# Altium PCB DT01.PcbDoc (part 1 of 3)
Units mil, origin at the board's own origin, x right, y up, seen from the top; angles counter-clockwise.
Board outline 2134.7 x 2226.1 mil, 2 copper layers (Top Layer, Bottom Layer), stack 57.918 mil thick; 95 components, 87 nets, 468 pads, 300 vias.
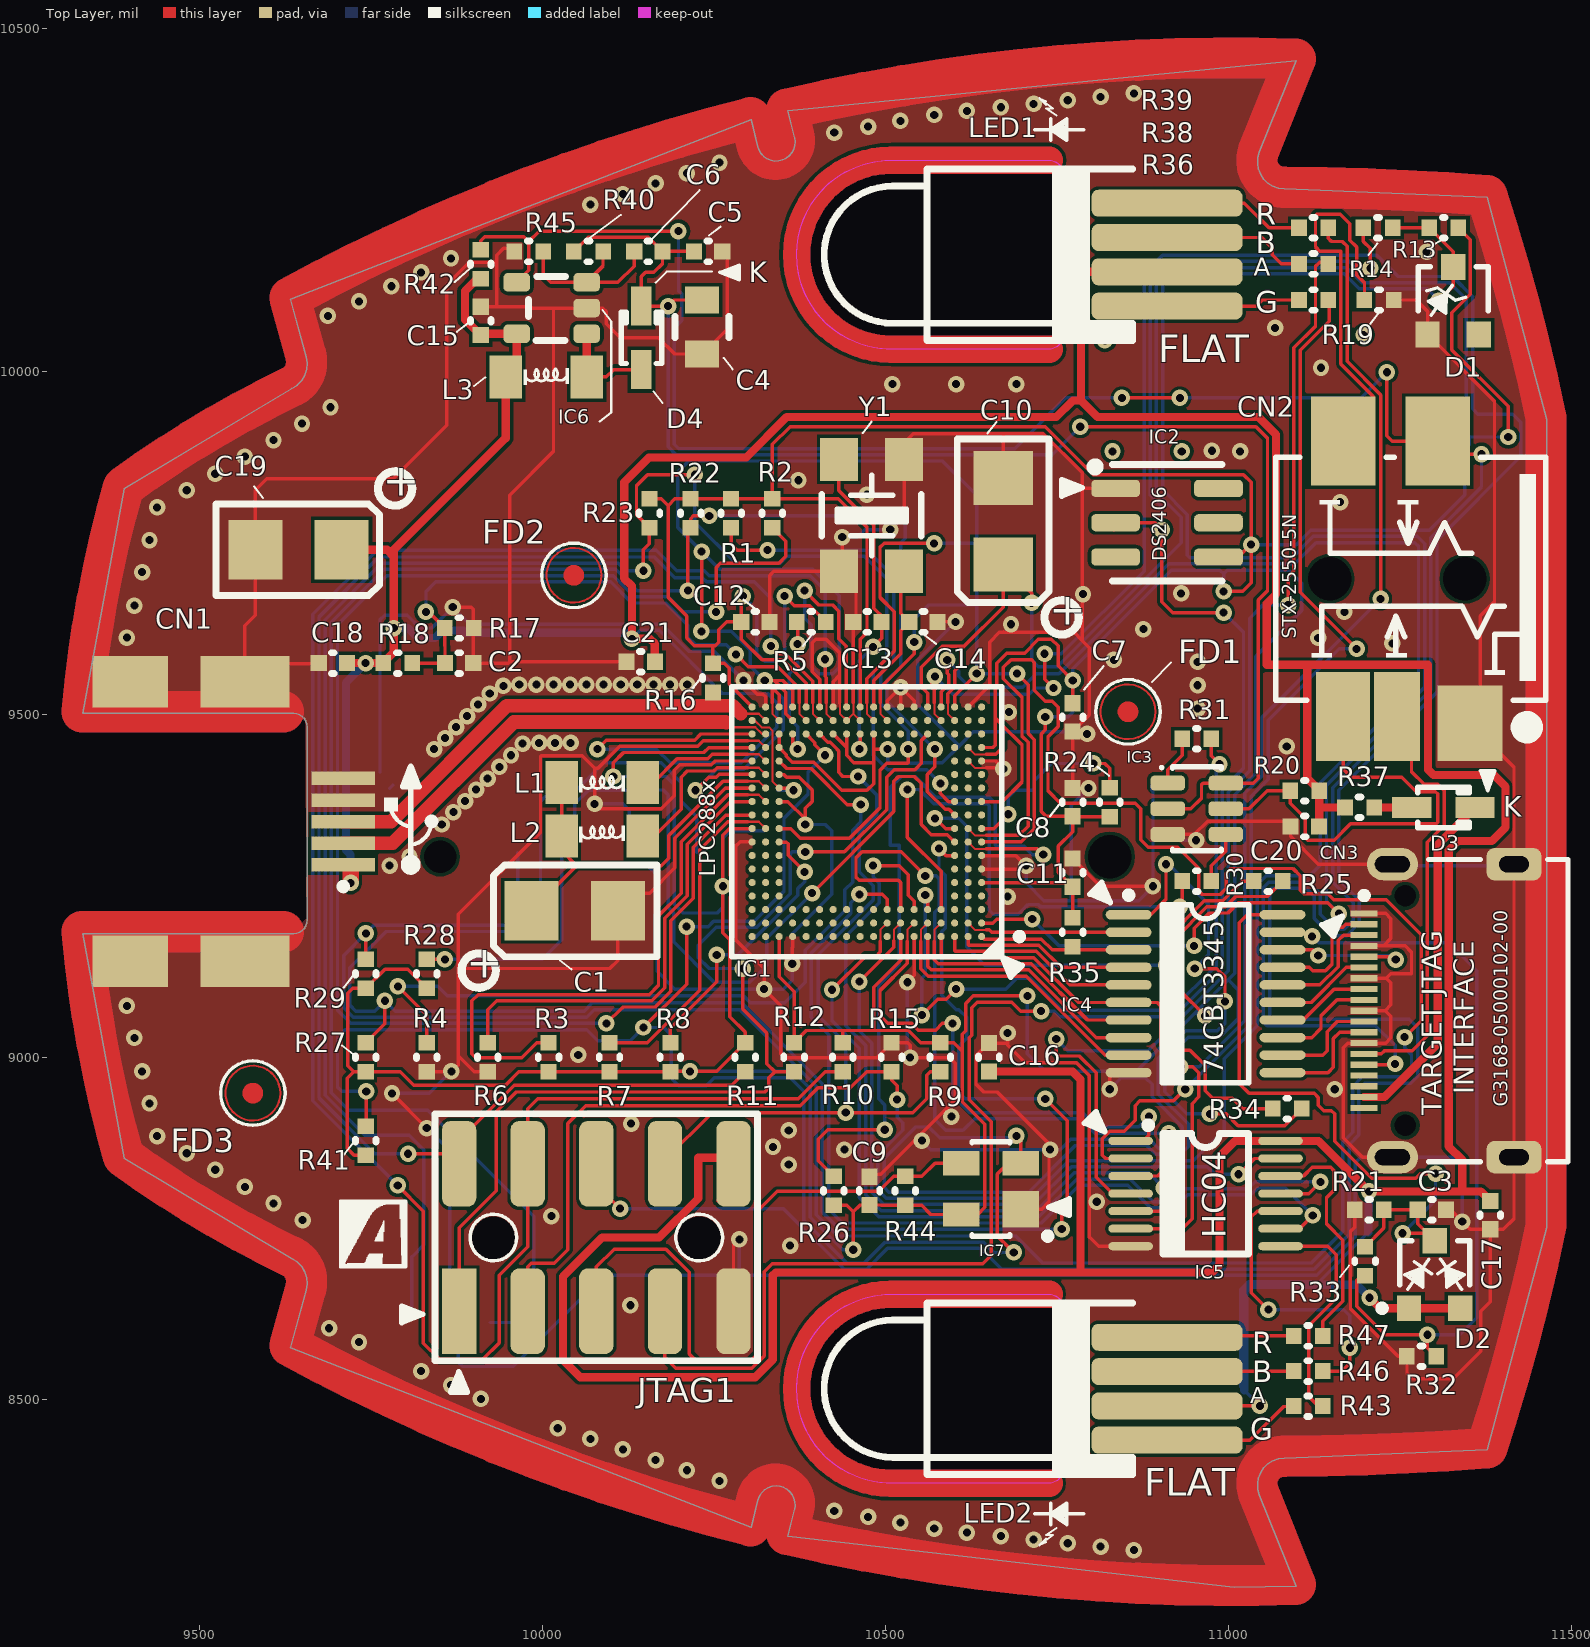
[diagram p0: Top Layer view]
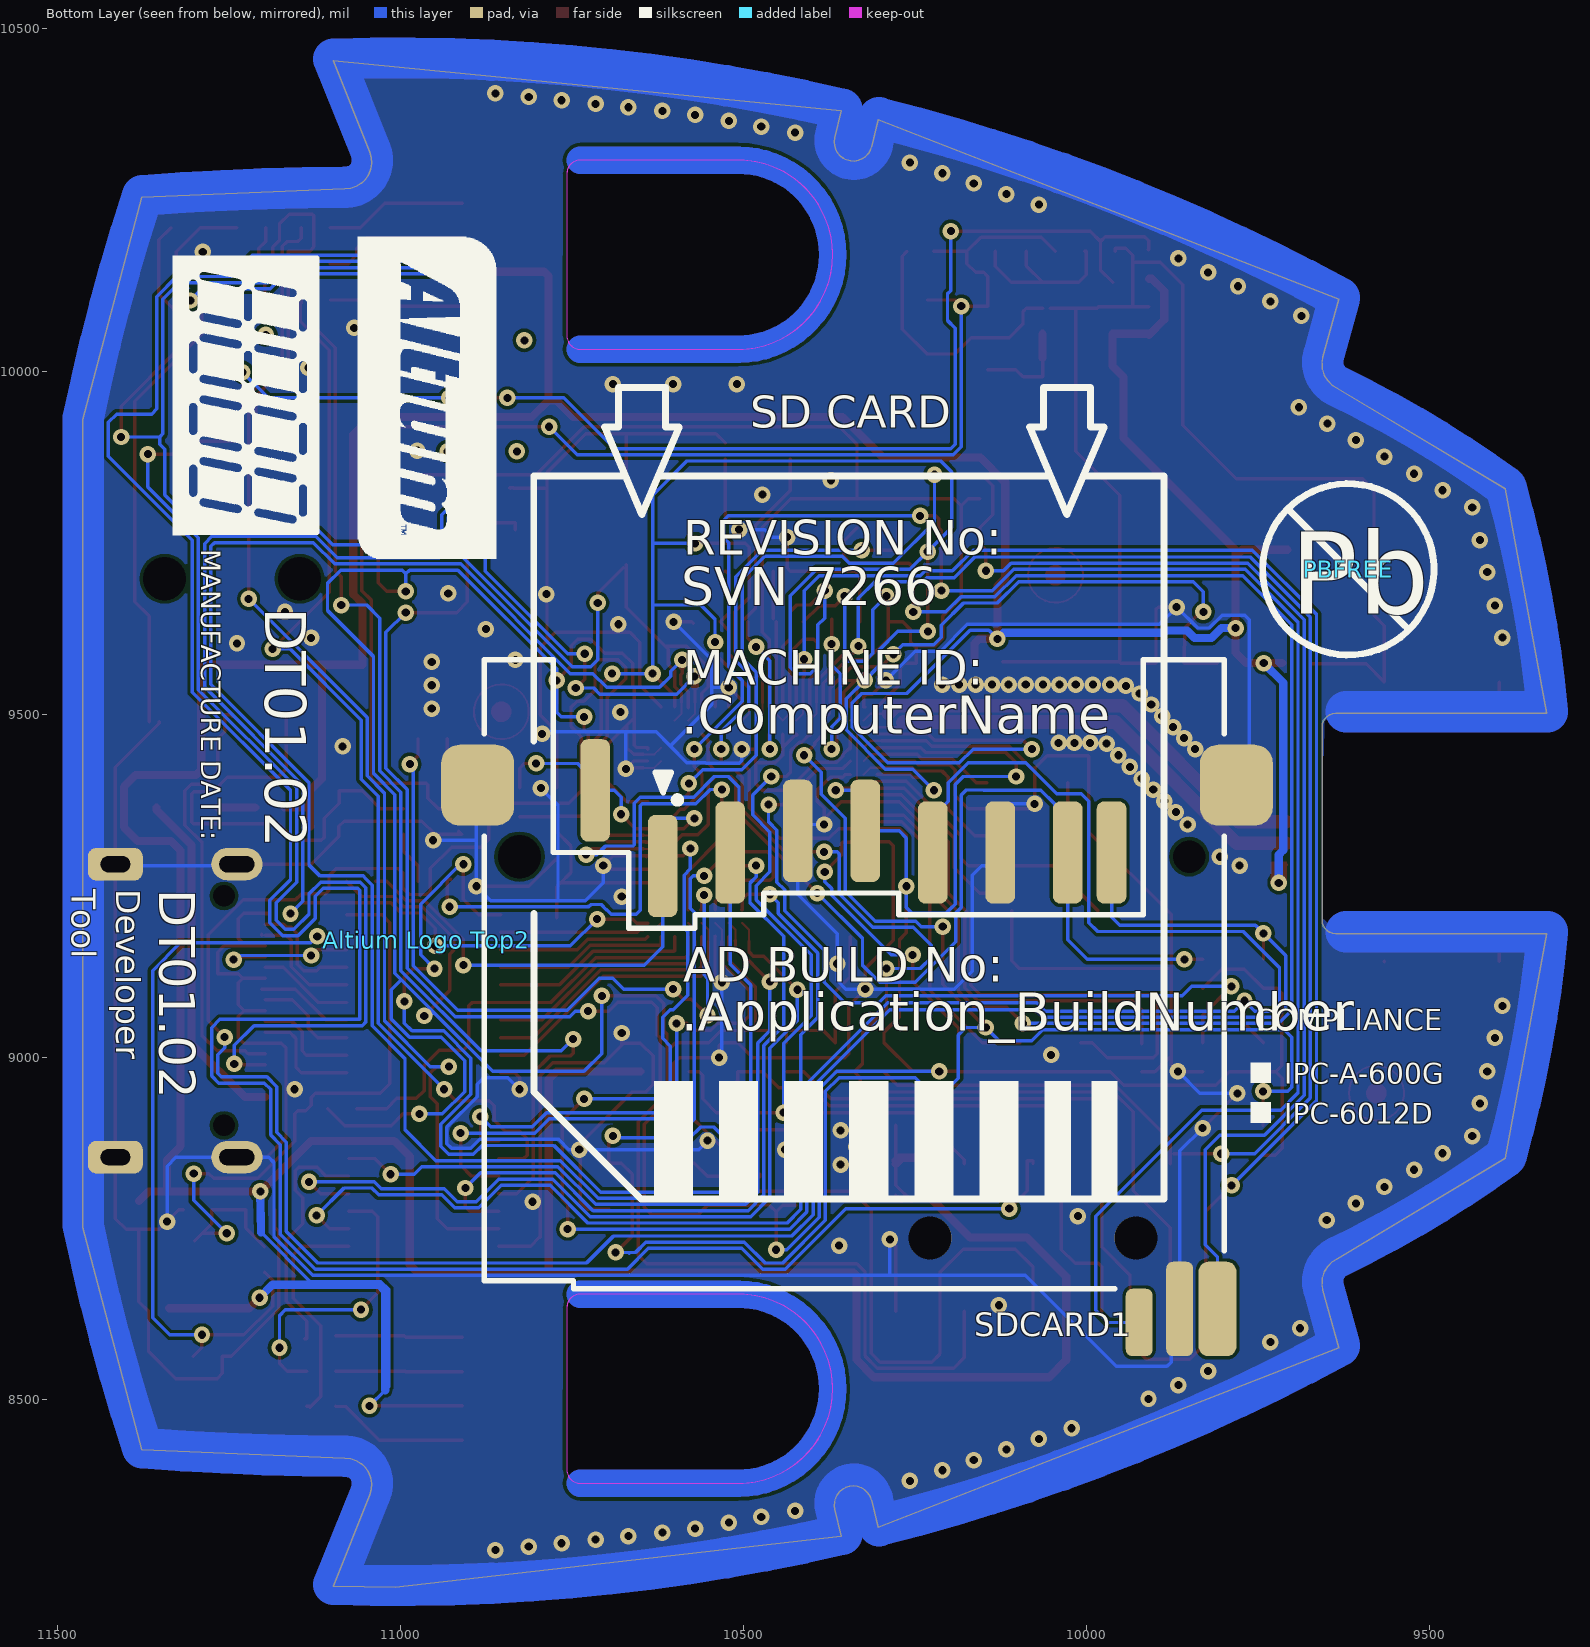
[diagram p1: Bottom Layer view, seen from below]

## Layer stack, top to bottom
Top Solder: solder mask 0.4, Solder Resist, Dk 3.5
Top Layer: signal copper 1.4
Dielectric1: core 55.1181, FR-4, Dk 4.8
Bottom Layer: signal copper 1.4
Bottom Solder: solder mask 0.4, Solder Resist, Dk 3.5

## Board outline
9632.47,8576.36 9655.61,8660.1 9657,8669.12 9656.28,8678.21 9653.49,8686.9 9648.77,8694.71 9642.38,8701.23 9634.66,8706.09 9389.82,8852.38 9329.39,9180.02 9637.16,9180.02 9641.54,9180.52 9645.7,9181.97 9649.44,9184.32 9652.55,9187.43 9654.9,9191.17 9656.35,9195.33 9656.85,9199.71 9656.85,9481.2 9656.35,9485.58 9654.9,9489.74 9652.55,9493.48 9649.44,9496.59 9645.7,9498.94 9641.54,9500.39 9637.16,9500.89 9329.39,9500.89 9389.82,9828.53 9634.66,9974.82 9642.38,9979.68 9648.77,9986.2 9653.49,9994.01 9656.28,10002.7 9657,10011.79 9655.61,10020.81 9632.47,10104.55 10304.11,10366.84 10313.82,10327.29 10315.77,10321.87 10318.81,10316.97 10322.8,10312.81 10327.56,10309.57 10332.89,10307.39 10338.56,10306.37 10344.32,10306.55 10349.92,10307.93 10355.11,10310.43 10359.66,10313.96 10363.38,10318.36 10366.1,10323.44 10367.71,10328.97 10368.13,10334.72 10367.35,10340.43 10357.69,10379.8 11098.79,10452.79 11045.28,10319.67 11042.98,10311.48 11042.49,10302.98 11043.84,10294.58 11046.96,10286.67 11051.71,10279.61 11057.86,10273.73 11065.14,10269.32 11073.19,10266.57 11081.64,10265.62 11377.54,10253.65 11464.09,9929.39 11464.09,8751.52 11377.54,8427.26 11081.64,8415.29 11073.19,8414.34 11065.14,8411.59 11057.86,8407.18 11051.71,8401.3 11046.96,8394.24 11043.84,8386.33 11042.49,8377.93 11042.98,8369.43 11045.28,8361.24 11098.79,8228.12 11008.37,8226.7 10357.69,8301.11 10367.35,8340.48 10368.12,8345.97 10367.79,8351.49 10366.35,8356.84 10363.87,8361.79 10360.45,8366.15 10356.24,8369.74 10351.38,8372.41 10346.1,8374.06 10340.59,8374.61 10334.53,8373.94 10328.76,8371.95 10323.58,8368.74 10319.23,8364.47 10315.92,8359.35 10313.82,8353.62 10304.11,8314.07
cut-out: 10508.24,8378.48 cw(c10508.24,8516.27) 10508.24,8654.07 10738.55,8654.07 cw(c10738.55,8634.38) 10758.24,8634.38 10758.24,8398.16 cw(c10738.55,8398.16) 10738.55,8378.48
cut-out: 10508.24,10032.02 cw(c10508.24,10169.82) 10508.24,10307.61 10738.55,10307.61 cw(c10738.55,10287.93) 10758.24,10287.93 10758.24,10051.71 cw(c10738.55,10051.71) 10738.55,10032.02

## Design rules (kind name [scope] priority, off if disabled: settings)
Clearance [All] p1: gap=3
ComponentClearance [All] p1: gap=10 collisioncheckmode=3 verticalgap=9.21 showdistances=TRUE
FabricationTestPointUsage TestPointUsage [All] p1: valid=0 allowmultiple=FALSE
FabricationTestpoint Testpoint [All] p1: side=3 testpointundercomponent=TRUE minsize=40 maxsize=100 preferedsize=60 minholesize=0 maxholesize=40 preferedholesize=32 testpointgrid=1 allowsidetop=TRUE allowsidebottom=TRUE usegrid=TRUE gridtolerance=0.01
MinimumSolderMaskSliver [All] p1: minsoldermaskwidth=2.9
PolygonConnect [All] p1: connectstyle=Direct reliefconductorwidth=10 reliefentries=4 polygonreliefangle="90 Angle" airgapwidth=10
RoomDefinition U_Visual_Indicators [InComponentClass('U_Visual_Indicators')] p1: confinementstyle=ConfineIn formatcopy=TRUE lockcomponents=FALSE outline 10395.6,8376.32 10395.6,10309.87 11080.91,10309.87 11080.91,10239.02 11168.13,10239.02 11168.13,10073.73 11160.25,10073.73 11160.25,8460.95 11072.72,8460.95 11072.72,8376.32
RoomDefinition U_SD_Card_Socket [InComponentClass('U_SD_Card_Socket')] p2: confinementstyle=ConfineIn formatcopy=TRUE lockcomponents=FALSE outline 9712.34,8955.68 9712.34,9165.24 9717.12,9165.24 9717.12,9593.7 10125.87,9593.7 10125.87,9836.79 10245.89,9836.79 10245.89,9593.7 10952.72,9593.7 10952.72,9286.51 11102.19,9286.51 11102.19,9226.51 10952.72,9226.51 10952.72,8552.23 9717.12,8552.23 9717.12,8955.68
RoomDefinition U_Power_Bypass_Caps [InComponentClass('U_Power_Bypass_Caps')] p3: confinementstyle=ConfineIn formatcopy=TRUE lockcomponents=FALSE outline 9509.11,9657.72 9509.11,9821.58 10589.56,9821.58 10589.56,9916.06 10753.41,9916.06 10753.41,9539.11 10802.84,9539.11 10802.84,9366.21 11155.31,9366.21 11155.31,8813.39 11411.93,8813.39 11411.93,8725.43 11351.93,8725.43 11351.93,8760.87 10446.65,8760.87 10446.65,9544.34 9650.39,9544.34 9650.39,9657.72
RoomDefinition U_One-Wire_Write_Read [InComponentClass('U_One-Wire_Write_Read')] p4: confinementstyle=ConfineIn formatcopy=TRUE lockcomponents=FALSE outline 9879.87,10029.25 9879.87,10199.88 9935.73,10199.88 9935.73,10204.58 10285.46,10204.58 10285.46,10134.93 10286.91,10134.93 10286.91,10133.73 11263.57,10133.73 11263.57,9974.59 11553.33,9974.59 11553.33,9420.09 11155.33,9420.09 11155.33,9358.36 11032.72,9358.36 11032.72,9287.02 10997.89,9287.02 10997.89,9226.51 10909.89,9226.51 10909.89,9287.02 10875.07,9287.02 10875.07,9948.56 9911.14,9948.56 9911.14,10029.25
RoomDefinition U_Mini_USB_Socket [InComponentClass('U_Mini_USB_Socket')] p5: confinementstyle=ConfineIn formatcopy=TRUE lockcomponents=FALSE outline 9254.8,9090.36 9254.8,9595.84 9744.84,9595.84 9744.84,9604.34 9834.38,9604.34 9834.38,9655.51 9922.38,9655.51 9922.38,9596.67 10278.36,9596.67 10278.36,9508.67 9767.14,9508.67 9767.14,9090.36
RoomDefinition U_MCU_Debug [InComponentClass('U_MCU_Debug')] p6: confinementstyle=ConfineIn formatcopy=TRUE lockcomponents=FALSE outline 9816.28,8542.21 9816.28,8932.21 10336.28,8932.21 10336.28,8542.21
RoomDefinition U_MCU [InComponentClass('U_MCU')] p7: confinementstyle=ConfineIn formatcopy=TRUE lockcomponents=FALSE outline 9712.34,8834.13 9712.34,8922.13 9801.15,8922.13 9801.15,9043.68 9913.53,9043.68 9913.53,9295.14 9992.81,9295.14 9992.81,9458.72 10224.66,9458.72 10224.66,9591.16 10244.93,9591.16 10244.93,9836.79 10392.1,9836.79 10392.1,9914.33 10567.1,9914.33 10567.1,9664.36 10599.35,9664.36 10599.35,9591.16 10721.03,9591.16 10721.03,8890.64 10756.29,8890.64 10756.29,8719.06 10572.39,8719.06 10572.39,8760.85 10498.81,8760.85 10498.81,8834.13
RoomDefinition U_IO_Bus_Switch [InComponentClass('U_IO_Bus_Switch')] p8: confinementstyle=ConfineIn formatcopy=TRUE lockcomponents=FALSE outline 10742.84,9137.89 10742.84,9225.89 10799.23,9225.89 10799.23,9255.87 11134.19,9255.87 11134.19,8807.18 11340.68,8807.18 11340.68,8762.22 11367.35,8762.22 11367.35,8603.39 11325.56,8603.39 11325.56,8533.75 11237.56,8533.75 11237.56,8603.39 11204.12,8603.39 11204.12,8658.39 11169.29,8658.39 11169.29,8747.18 11161.19,8747.18 11041.74,8747.18 11041.74,8894.88 11041.74,8940.59 10799.23,8940.59 10799.23,9137.89
RoomDefinition U_Hard_Soft_JTAG_Socket [InComponentClass('U_Hard_Soft_JTAG_Socket')] p9: confinementstyle=ConfineIn formatcopy=TRUE lockcomponents=FALSE outline 11147.18,9334 11147.18,9394 11227.23,9394 11227.23,9407.23 11399.84,9407.23 11399.84,9316.28 11509.04,9316.28 11509.04,8818.87 11166.67,8818.87 11166.67,9334
RoomDefinition U_DT01_Mounts [InComponentClass('U_DT01_Mounts')] p10: confinementstyle=ConfineIn formatcopy=TRUE lockcomponents=FALSE outline 9518.12,8887.88 9518.12,9006.88 9518.12,9761.88 9986.12,9761.88 10105.12,9761.88 10105.12,9562.88 10913.12,9562.88 10913.12,9443.88 9637.12,9443.88 9637.12,8887.88
RoomDefinition DT01_ID [InComponentClass('DT01_ID')] p11: confinementstyle=ConfineIn formatcopy=TRUE lockcomponents=FALSE outline 10783.23,9679.01 10783.23,9882.81 11174.1,9882.81 11174.1,10239.02 11358.04,10239.02 11358.04,10182.16 11394.43,10182.16 11394.43,10023.33 11394.43,9679.01 11032.6,9679.01
RoutingVias [All] p1: holewidth=11.81 width=24 viastyle="Through Hole" minholewidth=11 minwidth=24 maxholewidth=12 maxwidth=28
SilkToSilkClearance SilkToSilkClearance_InvToFill [(ObjectKind = 'Text') And (TextKind <> 'Stroke Font') vs IsFill or Istrack] p1: silktosilkclearance=0
SilkToSilkClearance SilkToSilkClearance_Labels [(ObjectKind = 'Text') And (TextKind <> 'Stroke Font') vs (ObjectKind = 'Text') And (TextKind <> 'Stroke Font')] p2: silktosilkclearance=0
SilkToSilkClearance SilkToSilkClearance_Pb [(ObjectKind = 'Text') And (StringText = 'Pb') vs Istrack and onsilkscreen] p3: silktosilkclearance=0
SilkToSilkClearance SilkToSilkClearance_IC1 [incomponent('IC1') vs isdesignator] p4: silktosilkclearance=0
SilkToSilkClearance SilkToSilkClearance_+ [(ObjectKind = 'Text') And (StringText = '+') And (IsTextInverted = 'True') And (TextKind = 'TrueType Font') vs isarc and onsilkscreen] p5: silktosilkclearance=0
SilkToSilkClearance [All] p6: silktosilkclearance=4
SilkToSolderMaskClearance SilkscreenOverComponentPads_JTAG1 [(IsPad) And (isthrupin and InComponent('JTAG1')) vs isarc and onsilkscreen] p1: minsilkscreentomaskgap=0 clearancetoexposedcopper=TRUE
SilkToSolderMaskClearance SilkscreenOverComponentPads_LEDs [incomponent('LED1') or incomponent('LED2')] p2: minsilkscreentomaskgap=0 clearancetoexposedcopper=TRUE
SilkToSolderMaskClearance SilkscreenOverComponentPads [IsPad] p3: minsilkscreentomaskgap=1 clearancetoexposedcopper=TRUE
SolderMaskExpansion [All] p1: expansion=4
Width [All] p1: maxlimit=60 minlimit=3 preferedwidth=5
24 further rules are at their usual default settings.

## Classes and differential pairs
component class U_Visual_Indicators: IC5 LED1 LED2 R36 R38 R39 R43 R46 R47
component class U_SD_Card_Socket: R22 R23 R24 R25 R26 R27 R28 R29 SDCARD1
component class U_Power_Bypass_Caps: C7 C8 C9 C10 C11 C12 C16 C17 C18 C19 C20 C21
component class U_One-Wire_Write_Read: C4 C5 C6 C15 CN2 D4 IC3 IC6 L3 R19 R20 R30 R31 R40 R42 R45
component class U_Mini_USB_Socket: C2 CN1 R16 R17 R18
component class U_MCU: C1 C13 C14 IC1 IC7 L1 L2 R1 R2 R3 R4 R5 R6 R7 R8 R9 R10 R11 R12 R15 R41 R44 Y1
component class U_MCU_Debug: JTAG1
component class U_IO_Bus_Switch: C3 D2 IC4 R21 R32 R33 R34 R35
component class U_Hard_Soft_JTAG_Socket: CN3 D3 R37
component class U_DT01_Mounts: FD1 FD2 FD3 PCB1
component class DT01_ID: D1 IC2 R13 R14

## Components (designator, comment, footprint, x,y, rotation, side; value= is the part's Value field where it differs from the comment)
"Altium Logo Top2" "Generic No Pins" "NB2 ALTIUM LOGO" 10962.91,9170.78 r270 bottom (schematic designator "Altium Logo Top1")
C1 "47uF 10V" CAPC3528-STAR 10046.65,9213.21 r0 top locked (schematic designator C1_CP)
C2 "0.1uF 16V" CAPC1005-STAR 9878.38,9574.34 r180 top locked (schematic designator C1_US)
C3 "0.1uF 16V" CAPC1005-STAR 11296.7,8777.18 r0 top (schematic designator C13)
C4 "2.2uF 16V" CAPC2012-STAR 10232.62,10064.37 r90 top locked (schematic designator C3_12V)
C5 "0.1uF 16V" CAPC1005-STAR 10241.48,10174.58 r180 top locked (schematic designator C4_12V)
C6 "0.1uF 16V" CAPC1005-STAR 10154.22,10174.58 r0 top locked (schematic designator C2_12V)
C7 "0.1uF 16V" CAPC1005-STAR 10772.84,9495.13 r90 top locked (schematic designator C2_3V3)
C8 "0.1uF 16V" CAPC1005-STAR 10772.84,9371.64 r270 top (schematic designator C4_3V3)
C9 "0.1uF 16V" CAPC1005-STAR 10476.65,8804.85 r270 top locked (schematic designator C5_3V3)
C10 "47uF 10V" CAPC3528-STAR 10671.49,9780.98 r90 top locked (schematic designator C1_3V3)
C11 "0.1uF 16V" CAPC1005-STAR 10772.84,9268.82 r90 top (schematic designator C3_3V3)
C12 "0.1uF 16V" CAPC1005-STAR 10310.36,9634.36 r0 top locked (schematic designator C6_3V3)
C13 "39pF 50V 1005 COG" CAPC1005-STAR 10473.7,9634.36 r180 top locked (schematic designator C7_CP)
C14 "39pF 50V 1005 COG" CAPC1005-STAR 10555.37,9634.36 r0 top locked (schematic designator C8_CP)
C15 "0.1uF 16V" CAPC1005-STAR 9909.87,10073.23 r270 top locked (schematic designator C1_12V)
C16 "0.1uF 16V" CAPC1005-STAR 10650.82,8999.68 r270 top locked (schematic designator C2_5V0)
C17 "0.1uF 16V" CAPC1005-STAR 11381.93,8769.41 r90 top (schematic designator C4_5V0)
C18 "0.1uF 16V" CAPC1005-STAR 9694.37,9574.34 r0 top locked (schematic designator C5_5V0)
C19 "47uF 10V" CAPC3528-STAR 9644.19,9739.65 r180 top locked (schematic designator C1_5V0)
C20 "0.1uF 16V" CAPC1005-STAR 11111.33,9336.21 r180 top locked (schematic designator C3_5V0)
C21 "0.1uF 16V" CAPC1005-STAR 10143.08,9576.31 r180 top (schematic designator C6_5V0)
CN1 "0481900001" 481900001 9550.71,9343.1 r180 top locked (schematic designator CN1_US)
CN2 "PHONEJACK STEREO SW" STX-2550-5N-TR 11462.62,9697.34 r180 top locked
CN3 "HDMI19" G3168-0500XXXX-00 11455.73,9067.58 r0 top locked (schematic designator CN1)
D1 "3.3V" SOT95P230-3D 11327.81,10102.75 r0 top locked (schematic designator D1_ID)
D2 "BAV70TT1G" SOT95P230-3 11258.33,8628.59 r0 top (schematic designator D1)
D3 "ZHCS400" SOD323 11313.53,9363.76 r0 top locked (schematic designator D1_JTAG)
D4 "ZHCS400" SOD323 10144.06,10048.63 r90 top locked (schematic designator D1_12V)
FD1 "Fiducial - Round" "FIDUCIAL 2" 10853.62,9503.38 r90 top locked
FD2 "Fiducial - Round" "FIDUCIAL 2" 10045.62,9702.38 r90 top
FD3 "Fiducial - Round" "FIDUCIAL 2" 9577.62,8947.38 r90 top locked
IC1 "MC/ARM/LPC2888-SQ180" BGA50P18X18-180 9970.88,9844.94 r180 top locked (schematic designator IC1_CP)
IC2 "DS2406" TSOC6 10910.6,9779.01 r270 top locked (schematic designator IC1_ID)
IC3 "MAX4561" SOT23-6 10953.89,9361.98 r270 top locked (schematic designator IC1_1WB)
IC4 "SN74CBT3345CPWR" TSOP65P650-20 10966.71,9092.33 r0 top locked (schematic designator IC2)
IC5 "74VHC04" TSSOP14 10857.46,8877.66 r0 top locked (schematic designator IC1_LED)
IC6 "ZXLD1615" SOT-23-5 10064.36,10054.53 r90 top locked (schematic designator IC1_12V)
IC7 "MAX6315US26D1" SOT143 10653.77,8807.8 r90 top locked (schematic designator IC2_CP)
JTAG1 "TSM-105-01-S-DV" TSM-105-01-DV 9878.38,8844.21 r0 top locked (schematic designator JTAG)
L1 "10uH (LQH32CN100K33L)" 3261 10086.99,9400.17 r0 top locked (schematic designator L2_CP)
L2 "10uH (LQH32CN100K33L)" 3261 10086.99,9322.43 r0 top locked (schematic designator L1_CP)
L3 "10uH (LQH32CN100K33L)" 3261 10005.32,9991.56 r0 top locked (schematic designator L1_12V)
LED1 "RGB LED 5MM" LED-RGB-5MM-RA 10910.6,10244.87 r270 top locked
LED2 "RGB LED 5MM" LED-RGB-5MM-RA 10910.6,8591.32 r270 top locked